# Altium PCB BytePipe_x9002_HDK_Rev2.PcbDoc (part 3 of 5) (continued)
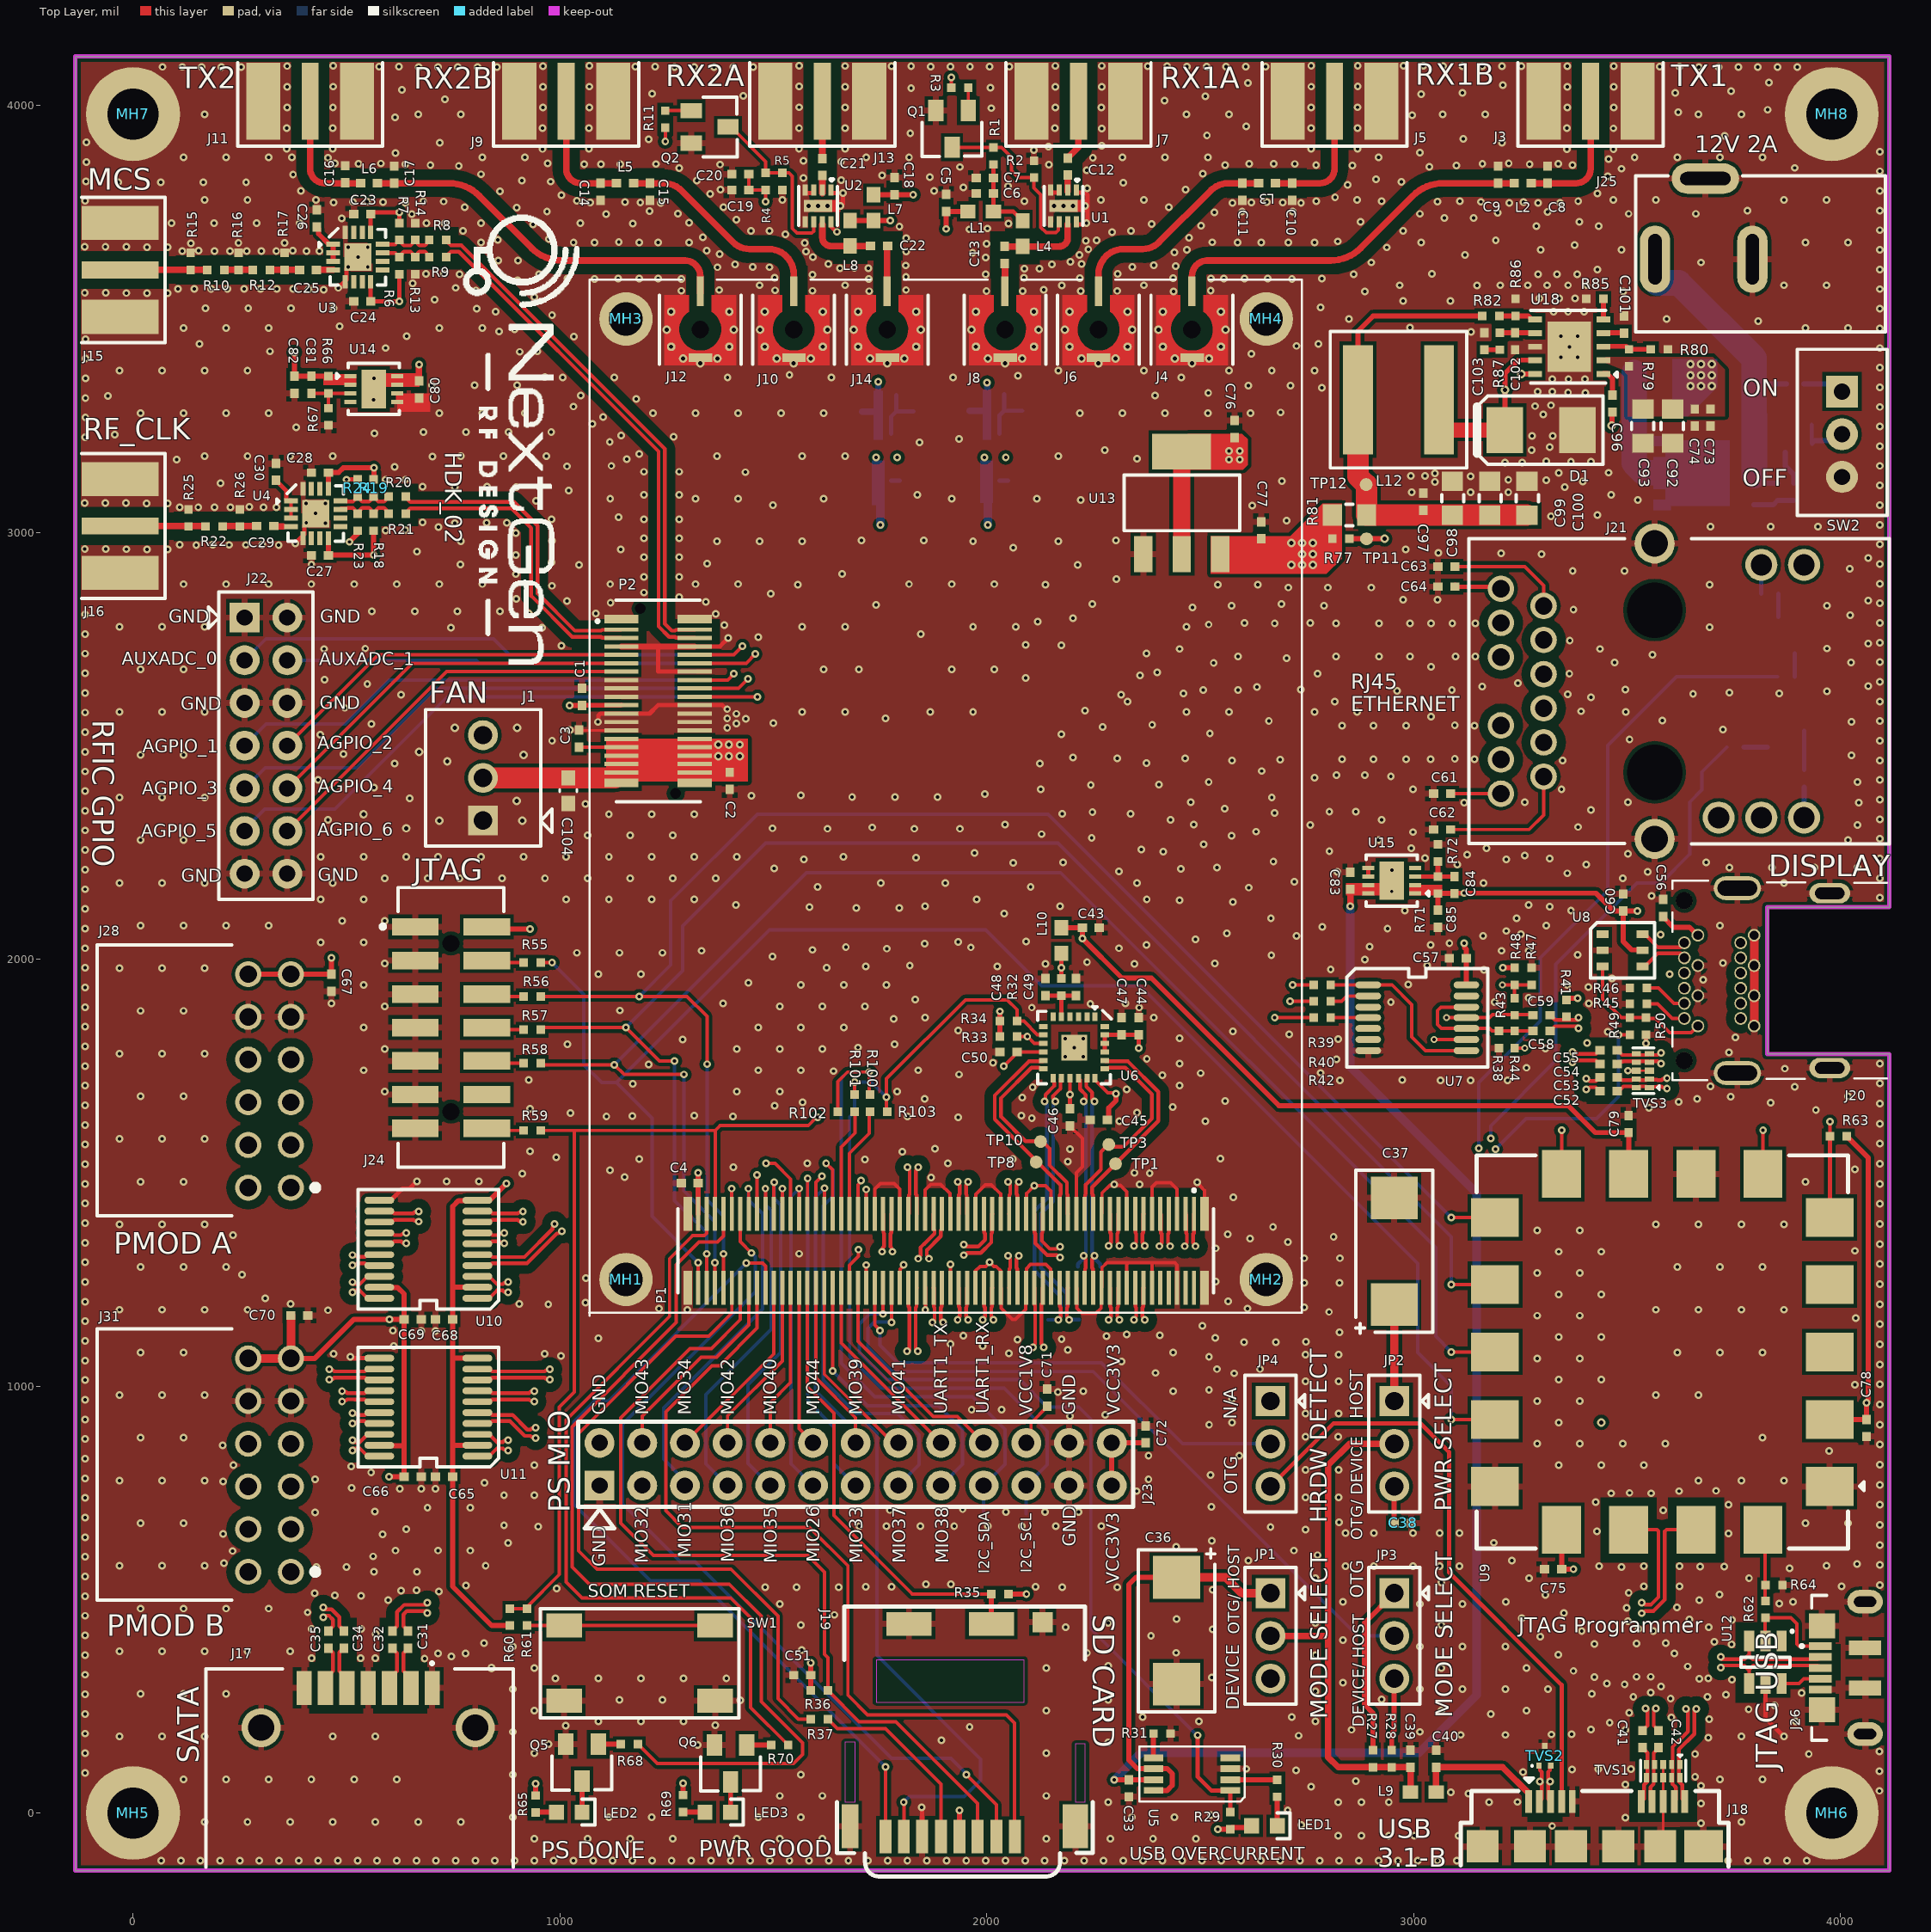
[diagram p0: Top Layer view]
## Nets (pads, with @x,y where several pads share a name; then routed paths per layer and width w, separated by ;. In a path a pad name is that pad's centre, name@x,y a point inside that pad or via, vN(x,y) a via of type N, cw(c..) or ccw(c..) an arc to the next point about the centre after c; other vN are vias at no path point) (continued)
898.92,3760.55 776.83,3762.18 1383.56,3761.83 2426.41,3762.08 2230.91,3764.49 1657,3765 637.97,3772.35 1236.24,3771.9 2575.86,3772.12 2736.5,3771.77 3224.41,3772.2 3291.67,3772.12 3343.64,3771.75 469.64,3772.69 1071.05,3772.98 1188.52,3773.13 2620.02,3772.81 2693.39,3772.81 515.03,3774.38 585.48,3773.7 1152.73,3773.55 2656.88,3773.86 3158.31,3774.44 3257.45,3773.54 548.9,3774.72 727.38,3775.39 3056.49,3774.88 679.97,3775.73 2088,3776 2772.31,3776.29 2925.34,3776.25 3108.74,3776.22 3386.07,3776.22 -112,3777 1039.71,3776.9 168.03,3779.03 268.03,3779.03 428.66,3778.78 1521,3779 2268.03,3779.03 2368.03,3779.03 2868.03,3779.03 3468.03,3779.03 3568.03,3779.03 3868.03,3779.03 3968.03,3779.03 2816.12,3784.98 1004.15,3790.46 1352.52,3792.87 3430.73,3794.08 393.44,3800.12 859.52,3799.55 1877,3800 4093,3800 1376,3803 2466.47,3803.01 2235.02,3806.12 1945,3808 2050,3811 2846.03,3814.19 2320,3819 -35,3820 65,3820 165,3820 265,3820 2972.01,3821.21 -110,3822 978.83,3821.8 911,3824 1321.18,3824.51 1659.61,3825.44 2912,3827 1570.58,3830.27 1867,3832 3455.29,3834.27 1755,3836 374.81,3838.39 815.29,3838.94 2506.54,3840.03 4093,3846 2234.81,3848.56 3487,3852 1279.89,3853.14 3893,3854 1937,3856 3037.46,3856.5 763.47,3858.42 697.01,3860.24 2558.36,3860.5 2856.51,3859.77 3100.64,3859.92 3372.91,3860.39 2145.8,3861.52 2771.74,3860.94 1375,3862 638.13,3862.82 1057.49,3862.78 1096.66,3862.78 1141.57,3862.78 1225.04,3863.09 2721.67,3863.11 3161.54,3863.33 3272.27,3862.61 3339.68,3863.38 528.14,3863.86 580.64,3864.12 2615.41,3863.55 2672.89,3863.55 473.2,3864.77 971.6,3864.89 3223,3865 -109.56,3868 1658.9,3868.79 1571.12,3870.58 3457.07,3874.47 372.56,3878.36 457.12,3877.63 2249,3878 118.03,3879.03 218.03,3879.03 318.03,3879.03 818.03,3879.03 918.03,3879.03 1718.03,3879.03 1818.03,3879.03 2318.03,3879.03 2418.03,3879.03 2518.03,3879.03 2918.03,3879.03 3518.03,3879.03 3618.03,3879.03 3718.03,3879.03 3818.03,3879.03 615,3889 3015,3890 4093,3892 2110.94,3895.91 959.7,3898.26 3359.7,3898.26 3468.64,3898.17 360.52,3898.61 468,3898.86 1068.43,3898.85 1560.2,3899.01 1668.18,3898.64 2759.99,3898.82 2868.83,3898.99 2145.13,3903.71 2269.66,3905.71 719,3913 3207,3913 -109.37,3914 1208,3921 3117,3922 3729,3929 2516,3930 1821,3935 2269.66,3946.22 360.52,3947.12 468,3947.37 959.7,3946.77 1068.43,3947.36 1560.2,3947.52 1668.18,3947.15 2160.13,3947.22 2759.99,3947.33 2868.83,3947.5 3359.7,3946.76 3468.64,3946.68 2608,3951 614,3972 2997,3977 168.03,3979.03 668.03,3979.03 768.03,3979.03 2468.03,3979.03 2568.03,3979.03 3068.03,3979.03 3168.03,3979.03 3668.03,3979.03 3768.03,3979.03 3620,3984 3830,3990 2011,3994 960.14,3995.28 3360.14,3995.27 3469.08,3995.19 360.95,3995.63 468.43,3995.87 1068.86,3995.87 1560.63,3996.03 1668.61,3995.66 2160.57,3995.73 2269.1,3995.73 2760.42,3995.84 2869.27,3996.01 2417,4012 731,4015 2512,4022 1430,4023 3018,4027 1216,4028 3115,4030 3613,4030 3744,4034 630,4037 1823,4041 2009,4042 361.15,4044.14 468.63,4044.38 960.33,4043.79 1069.06,4044.38 1668.8,4044.17 2160.76,4044.24 2269.29,4044.24 2760.62,4044.35 2869.46,4044.52 3360.33,4043.78 3469.27,4043.7 1560.83,4044.54 3209,4048 2612,4053 3833,4054 161,4090.44 207,4090 253,4090 715,4090.37 761,4090.37 807,4090 853,4090 1315,4090.37 1361,4090.37 1407,4090 1453,4090 3715,4090.37 3761,4090.37 3807,4090 3853,4090 3899,4090 69,4090.63 115,4090.63 577,4091 623,4091 669,4090.56 1177,4091 1223,4091 1269,4090.56 1915,4091.37 1961,4091.37 2007,4091 2053,4091 2515,4091.37 2561,4091.37 2607,4091 2653,4091 3577,4091 3623,4091 3669,4090.56 960.33,4092.3 1777,4092 1823,4092 1869,4091.56 2377,4092 2423,4092 2469,4091.56 3115,4092.37 3161,4092.37 3207,4092 3253,4092 3360.33,4092.29 3469.27,4092.21 361.15,4092.65 468.63,4092.89 1069.06,4092.88 1560.83,4093.05 1668.8,4092.68 2160.76,4092.74 2269.29,4092.74 2760.62,4092.86 2869.46,4093.03 2977,4093 3023,4093 3069,4092.56
  other v2: 840,340 640,2307 718.03,2325 912,2325 540,2340 898.81,2371.17 736.31,2464 915,2479.03 670,2486 754,2542 900,2542
GTR_REFCLK0_N: P1.34 TP9.1 U6.13 | length 699.9
  Top Layer w8.75: v1(2135.92,1666.99) 2137.69,1668.76 2137.69,1682.69 2158.13,1703.13 2158.13,1711.63 2157.63,1712.13 2157.63,1719.38 U6.13@2156,1721 ; P1.34@2170.75,1230.39 2171.37,1229.76 2171.37,1185.88 2173.22,1184.04 2173.22,1163.1
  Bottom Layer w8.75: 2141.04,1659.36 2141.04,1439.05 2112.22,1410.23 2112.22,1271.07 2173.18,1210.1 2173.18,1163.07 2168.06,1157.95 v1(2168.06,1155.44) TP9.1@2143.82,1155.44
GTR_REFCLK0_P: P1.32 TP5.1 U6.14 | length 699.9
  Top Layer w8.75: v1(2160.92,1666.99) 2160.92,1669.49 2155.73,1674.69 2155.73,1679.87 2172.88,1697.02 2172.88,1711.63 2173.38,1712.12 2173.38,1719.38 U6.14@2175,1721 ; 2187.97,1163.04 2187.97,1184.04 2189.81,1185.88 2189.81,1229.76 P1.32@2190.43,1230.39
  Bottom Layer w8.75: 2155.79,1659.36 2155.79,1432.94 2126.97,1404.12 2126.97,1277.18 2187.93,1216.21 2187.93,1163.07 2193.06,1157.95 v1(2193.06,1155.44) 2193.34,1155.72 2216.72,1155.72 TP5.1@2217,1156
GTR_REFCLK1_N: P1.31 TP10.1 U6.12 | length 488.6
  Top Layer w8.75: U6.12@2133,1744 2131.38,1745.62 2124.12,1745.62 2123.62,1746.12 2104.98,1746.12 2033.75,1674.89 2033.75,1631.29 2091.04,1574 2130,1574 2147,1557 2147,1518.04 2187.97,1477.07 2187.97,1449.96 2189.81,1448.12 2189.81,1404.24 P1.31@2190.43,1403.61
GTR_REFCLK1_P: P1.33 TP8.1 U6.11 | length 490.3
  Top Layer w8.75: U6.11@2133,1763 2131.38,1761.38 2124.12,1761.38 2123.62,1760.88 2098.88,1760.88 2019,1681 2019,1625.18 2173.22,1470.96 2173.22,1449.96 2171.37,1448.12 2171.37,1404.24 P1.33@2170.75,1403.61
GTR_REFCLK2_N: P1.28 TP6.1 U6.16 | length 528.3
  Top Layer w8.75: U6.16@2215,1721 2218.62,1717.38 2218.62,1695.52 2232.27,1681.87 2232.27,1672.48 v1(2227.17,1667.38) ; P1.28@2229.8,1230.39 2230.43,1231.01 2230.43,1274.89 2232.27,1276.73 2232.27,1297.73
  Bottom Layer w8.75: TP6.1@2214,1280 2214,1285.75 2225.41,1297.16 2225.41,1303.56 v1(2227.18,1305.33) 2227.18,1307.83 2232.3,1312.96 2232.3,1498.63 2232.3,1659.75 2227.17,1664.88 v1(2227.17,1667.38)
GTR_REFCLK2_P: P1.26 TP2.1 U6.17 | length 527.7
  Top Layer w8.75: U6.17@2235,1721 2233.38,1719.38 2233.38,1701.62 2247.02,1687.98 2247.02,1672.53 v1(2252.17,1667.38) ; 2247.02,1297.67 2247.02,1276.73 2248.86,1274.89 2248.86,1231.01 P1.26@2249.49,1230.39
  Bottom Layer w8.75: v1(2252.17,1667.38) 2252.17,1664.88 2247.05,1659.75 2247.05,1504.74 2247.05,1312.96 2252.18,1307.83 v1(2252.18,1305.33) 2253.95,1303.56 2253.95,1297.8 2266,1285.75 TP2.1@2266,1280
GTR_REFCLK3_N: P1.25 TP1.1 U6.20 | length 506.8
  Top Layer w8.75: P1.25@2249.49,1403.61 2248.86,1404.24 2248.86,1448.12 2247.02,1449.96 2247.02,1466.02 2402,1621 2402,1689.86 2330.98,1760.88 2286.37,1760.88 2285.87,1761.37 2278.62,1761.37 U6.20@2277,1763
GTR_REFCLK3_P: P1.27 TP3.1 U6.19 | length 506.4
  Top Layer w8.75: P1.27@2229.8,1403.61 2230.43,1404.24 2230.43,1448.12 2232.27,1449.96 2232.27,1472.13 2267.57,1507.43 2267.57,1548.57 2280,1561 2321.14,1561 2387.25,1627.11 2387.25,1683.75 2324.88,1746.12 2286.37,1746.12 2285.87,1745.63 2278.62,1745.63 U6.19@2277,1744
GTR_RX0_N: J18.10 P1.22 TVS1.1 TVS1.10 | length 2423.4
  Top Layer w8.75: v1(2286.17,1155.44) 2286.17,1157.95 2291.33,1163.1 2291.33,1184.04 2289.48,1185.88 2289.48,1229.76 P1.22@2288.86,1230.39 ; J18.10@3635.78,27 3629.56,33.22 3629.56,66 3621.9,73.66 3621.9,149 3658,185.1 v1@3658,243
  L6-SIG w5.5: v1(2286.17,1155.44) 2286.17,1158.17 2292.92,1164.92 2292.92,1183.93 2318.97,1209.98 2507.29,1209.98 2568.76,1148.5 2768.15,1148.5 2791.63,1125.03 2791.63,649.64 2818.48,622.79 3150.83,622.79 3410.12,363.5 3574.5,363.5 3656.35,281.65 3656.35,253.62 3662.6,247.37 v1(3662.6,244.14)
GTR_RX0_P: J18.9 P1.20 TVS1.2 TVS1.9 | length 2423.4
  Top Layer w8.75: P1.20@2308.54,1230.39 2307.92,1229.76 2307.92,1185.88 2306.08,1184.04 2306.08,1163.04 2311.17,1157.95 v1(2311.17,1155.44) ; TVS1.9@3604.69,82.5 3606.31,80.88 3606.31,68.39 3607.15,67.55 ; J18.9@3610.78,27 3614.56,30.78 3614.56,60.14 3607.15,67.55 ; v1@3643.25,243 3643.25,191.21 3607.15,155.11 3607.15,67.55
  L6-SIG w5.5: v1(2311.17,1155.44) 2311.17,1158.17 2304.42,1164.92 2304.42,1179.16 2323.73,1198.48 2502.52,1198.48 2564,1137 2763.39,1137 2780.13,1120.26 2780.13,644.87 2813.71,611.29 3146.07,611.29 3405.35,352 3459,352 3463.74,347.26 3463.74,341.26 3472,333 3485,333 3493.46,341.46 3493.46,348.65 3496.81,352 ; 3497,352 3569.74,352 3644.85,276.89 3644.85,253.62 3638.6,247.37 v1(3638.6,244.14)
GTR_RX1_N: C34.1 P1.16 | length 2816.1
  Top Layer w8.75: v1(446,482) 450.63,477.38 v1@452.5,477.38 ; v1@452.5,477.25 465.23,477.25 483.38,459.11 483.38,437.62 494,427 C34.1@494,426 ; v1(2345.22,1155.44) 2345.22,1157.95 2350.38,1163.1 2350.38,1184.04 2348.54,1185.88 2348.54,1229.76 P1.16@2347.91,1230.39
  L6-SIG w5.5: v1(446,482) 449.22,482 455.47,475.75 575,475.75 632.75,418 779.24,418 934.74,573.5 2302.5,573.5 2473.9,744.9 2473.9,887.87 2351.97,1009.8 2351.97,1145.97 2345.22,1152.72 v1(2345.22,1155.44)
GTR_RX1_P: C35.1 P1.14 | length 2816.3
  Top Layer w8.75: v1(446,458) 450.5,462.5 459.12,462.5 468.62,453 468.62,437.62 458,427 C35.1@458,426 ; P1.14@2367.6,1230.39 2366.97,1229.76 2366.97,1185.88 2365.13,1184.04 2365.13,1163.04 2370.22,1157.95 v1(2370.22,1155.44)
  L6-SIG w5.5: v1(446,458) 449.22,458 455.47,464.25 570.24,464.25 627.99,406.5 728.5,406.5 735.4,399.6 755.6,399.6 762.5,406.5 784,406.5 939.5,562 2307.26,562 2485.4,740.14 2485.4,892.63 2363.47,1014.56 2363.47,1145.97 2370.22,1152.72 v1(2370.22,1155.44)
GTR_RX2_N: P1.10
GTR_RX2_P: P1.08
GTR_RX3_N: P1.04
GTR_RX3_P: P1.02
GTR_TX0_N: C42.1 P1.21 | length 2448.8
  Top Layer w8.75: v1(2286.17,1328.67) 2286.17,1331.18 2291.33,1336.33 2291.33,1357.27 2289.48,1359.11 2289.48,1402.99 P1.21@2288.86,1403.61 ; v1@3562.88,245 3562.88,212.89 3562.88,204.75 3568,199.62 3568.38,199.62 3574,194 C42.1@3574,193
  L3-SIG w5.5: v1(2286.17,1328.67) 2286.17,1325.95 2292.92,1319.2 2292.92,1297.95 2469.98,1120.9 2469.98,879.72 2565,784.7 2565,289.74 2717.74,137 3543,137 3561.25,155.25 3561.25,235.53 3567.5,241.78 v1(3567.5,245)
GTR_TX0_P: C41.1 P1.19 | length 2449.6
  Top Layer w8.75: P1.19@2308.54,1403.61 2307.92,1402.99 2307.92,1359.11 2306.08,1357.27 2306.08,1336.27 2311.17,1331.18 v1(2311.17,1328.67) ; C41.1@3537,193 3537,194 3542.62,199.62 3543,199.62 3548.12,204.75 3548.12,219 v1@3548.13,245
  L3-SIG w5.5: v1(2311.17,1328.67) 2311.17,1325.95 2304.42,1319.2 2304.42,1302.72 2481.48,1125.66 2481.48,884.48 2576.5,789.46 2576.5,294.5 2722.5,148.5 3433.5,148.5 3438,153 3438,166 3447,175 3469,175 3476,168 3476,152 3479.5,148.5 3538.24,148.5 3549.75,160.01 3549.75,235.53 3543.5,241.78 v1(3543.5,245)
GTR_TX1_N: C32.1 P1.15 | length 2731.2
  Top Layer w8.75: C32.1@608,426 608,427 618.62,437.62 618.62,471.11 635.27,487.75 v1@687,487.75 ; v1(2345.22,1328.67) 2345.22,1331.18 2350.38,1336.33 2350.38,1357.27 2348.54,1359.11 2348.54,1402.99 P1.15@2347.91,1403.61
  L6-SIG w5.5: v1(689.09,492.39) 692.32,492.39 698.57,486.14 779,486.14 931.86,639 2282.5,639 2411.5,768 2411.5,896.26 2233.14,1074.63 2233.14,1183.56 2351.97,1302.4 2351.97,1319.2 2345.22,1325.95 v1(2345.22,1328.67)
GTR_TX1_P: C31.1 P1.13 | length 2731.4
  Top Layer w8.75: C31.1@644,426 644,427 633.38,437.62 633.38,465 641.38,473 v1@687,473 ; P1.13@2367.6,1403.61 2366.97,1402.99 2366.97,1359.11 2365.13,1357.27 2365.13,1336.27 2370.22,1331.18 v1(2370.22,1328.67)
  L6-SIG w5.5: v1(689.09,468.39) 692.32,468.39 698.57,474.64 723,474.64 ; 723.5,474.5 730.8,467.2 750.2,467.2 757.64,474.64 783.76,474.64 936.62,627.5 2287.26,627.5 2423,763.24 2423,901.02 2244.64,1079.39 2244.64,1178.8 2363.47,1297.64 2363.47,1319.2 2370.22,1325.95 v1(2370.22,1328.67)
GTR_TX2_N: C55.1 P1.09 | length 1339
  Top Layer w8.75: v1(2404.9,1328.05) 2404.9,1330.55 2410.06,1335.71 2410.06,1356.65 2408.22,1358.49 P1.09@2408.22,1402.36 ; P1.09@2406.97,1403.61 P1.09@2407.59,1402.99 ; v1(3372.15,1782.84) 3373.92,1781.07 3381.21,1781.07 3384.07,1778.21 3412.87,1778.21 3427.21,1778.21 3436,1787 C55.1@3437,1787
  L3-SIG w5.5: v1(2404.9,1328.05) 2404.9,1330.77 2411.65,1337.52 2411.65,1368.56 2479.03,1435.94 2504.07,1435.94 2586.24,1518.11 2586.24,1543.91 2724.78,1682.45 3247.94,1682.45 3342.08,1776.59 3362.68,1776.59 3368.93,1782.84 v1(3372.15,1782.84)
GTR_TX2_P: C54.1 P1.07 | length 1330.3
  Top Layer w8.75: P1.07@2426.03,1402.99 P1.07@2426.65,1403.61 ; P1.07@2426.65,1402.36 2426.65,1358.49 2424.81,1356.65 2424.81,1335.64 2429.9,1330.55 v1(2429.9,1328.05) ; v1(3372.15,1758.84) 3373.92,1760.61 3381.21,1760.61 3384.07,1763.46 3406.76,1763.46 3427.21,1763.46 3436,1754.67 C54.1@3437,1754.67
  L3-SIG w5.5: v1(2429.9,1328.05) 2429.9,1330.77 2423.15,1337.52 2423.15,1363.8 2483.79,1424.44 2508.83,1424.44 2597.74,1513.34 2597.74,1539.15 2634.24,1575.65 2651.93,1575.65 2663.64,1587.35 2663.64,1605.05 2729.54,1670.95 3252.7,1670.95 3346.84,1765.09 3362.68,1765.09 3368.93,1758.84 v1(3372.15,1758.84)
GTR_TX3_N: C53.1 P1.03 | length 1319.1
  Top Layer w8.75: v1(2463.96,1328.05) 2463.96,1330.55 2469.12,1335.71 2469.12,1356.65 2467.27,1358.49 P1.03@2467.27,1402.36 ; P1.03@2466.02,1403.61 P1.03@2466.65,1402.99 ; v1(3405,1720) 3407.5,1720 3412.63,1714.88 3427.54,1714.88 3436,1723.33 C53.1@3437,1723.33
  L3-SIG w5.5: v1(2463.96,1328.05) 2463.96,1330.77 2470.71,1337.52 2470.71,1370.95 2498.7,1398.94 2626.84,1398.94 2644.28,1416.38 2644.28,1507.73 2775.05,1638.5 3223.09,1638.5 3253.59,1608 3268.74,1608 3373.99,1713.25 3395.53,1713.25 3402.28,1720 v1(3405,1720)
GTR_TX3_P: C52.1 P1.01 | length 1316.2
  Top Layer w8.75: P1.01@2485.08,1402.99 P1.01@2485.71,1403.61 ; P1.01@2485.71,1402.36 2485.71,1358.49 2483.87,1356.65 2483.87,1335.64 2488.96,1330.55 v1(2488.96,1328.05) ; v1(3405,1695) 3407.5,1695 3412.63,1700.12 3426.88,1700.12 3436,1691 C52.1@3437,1691
  L3-SIG w5.5: v1(2488.96,1328.05) 2488.96,1330.77 2482.21,1337.52 2482.21,1366.19 2503.46,1387.44 2631.6,1387.44 2655.78,1411.62 2655.78,1502.96 2691.82,1539 2719,1539 2728.57,1548.57 2728.57,1575.76 2779.82,1627 3218.32,1627 3248.82,1596.5 3273.5,1596.5 3378.75,1701.75 3395.53,1701.75 3402.28,1695 v1(3405,1695)
I2C1_SCL: J23.19 R33.2 R100.1 R102.1 TP7.1 U6.9 | length 2085.9
  Top Layer w8: R102.1@1651,1643 1651,1713 1674,1736 v1(1725,1736) R100.1@1725,1683 ; R33.2@2071,1819 2096,1819 2112,1803 U6.9@2133,1803
  L6-SIG w8: v1(1725,1736) 1763,1774 1916,1774 1961,1819 v1(2095,1819)
  Bottom Layer w8: v1(1725,1736) 1674,1736 1659,1721 1659,1054 1738,975 1967,975 2043,899 2043,817 J23.19@1993,767 TP7.1@1992.98,700.8
I2C1_SDA: J23.21 R34.2 R101.1 R103.2 TP4.1 U6.8 | length 2087.8
  Top Layer w8: R101.1@1691,1683 v1@1690.99,1712.01 ; R103.2@1765,1643 v1(1765,1677) 1765,1720 1950,1905 2048,1905 2071,1882 R34.2@2071,1855 2087,1855 2119,1823 U6.8@2133,1823
  L6-SIG w8: v1(1690.98,1712.02) v1@1692.02,1713.07
  Bottom Layer w8: v1(1765,1677) 1729.98,1712.02 v1(1690.98,1712.02) 1690.98,1642.98 1679,1631 1679,1069 1753,995 2041,995 2142,894 2142,816 J23.21@2093,767 2092.66,766.66 2092.66,701.09 TP4.1@2092.32,700.75
I2C1_SELECT_CL: P1.83 R100.2 R103.1 | length 258.6
  Top Layer w8: P1.83@1678.62,1403.61 1678.62,1545.62 1725,1592 R103.1@1725,1643
I2C1_SELECT_DA: P1.85 R101.2 R102.2 | length 253.5
  Top Layer w8: P1.85@1658.94,1403.61 1658.94,1559.94 1692,1593 1692,1642 R101.2@1691,1643
IO_L1_N: P1.61 U10.3 | length 1278.8
  Top Layer w8.75: U10.3@807,1257 834.49,1257 852.61,1238.88 866.69,1238.88 869.61,1241.79 876.9,1241.79 v1(878.67,1243.56) ; 1859.63,1318.72 1859.63,1318.14 ; v1(1864.74,1298.85) 1864.74,1301.36 1859.63,1306.47 1859.63,1318.14 ; P1.61@1895.51,1403.26 P1.61@1895.16,1403.61 1894.51,1402.97 1894.51,1366.72 1892.63,1364.83 1892.63,1351.13 1859.63,1318.14
  L3-SIG w5.5: v1(878.67,1243.56) 881.89,1243.56 888.14,1237.31 912.58,1237.31 986.07,1237.31 1103.76,1355 1833.1,1355 1857.99,1330.11 1857.99,1308.33 1864.74,1301.58 v1(1864.74,1298.85)
IO_L1_P: P1.63 U10.1 | length 1258.9
  Top Layer w8.75: U10.1@807,1206 834.49,1206 852.61,1224.12 866.81,1224.12 869.61,1221.33 876.9,1221.33 v1(878.67,1219.56) ; v1(1839.74,1298.85) 1839.74,1301.36 1844.88,1306.5 1844.88,1324.83 1853.52,1333.47 1854.1,1333.47 1877.88,1357.24 1877.88,1364.82 1875.47,1367.22 P1.63@1875.47,1403.61
  L3-SIG w5.5: v1(878.67,1219.56) 881.89,1219.56 888.14,1225.81 917.35,1225.81 990.84,1225.81 1108.52,1343.5 1828.34,1343.5 1846.49,1325.35 1846.49,1308.33 1839.74,1301.58 v1(1839.74,1298.85)
IO_L2_N: P1.57 U10.5 | length 1305.7
  Top Layer w8.75: U10.5@807,1308 835.96,1308 841.59,1302.37 916.97,1302.37 982.88,1368.28 982.88,1372.31 988.03,1377.47 v1(988.03,1379.97) ; P1.57@1934.53,1403.61 1935.15,1404.24 1935.15,1448.12 1936.99,1449.96 1937,1470.96
  L3-SIG w5.5: v1(988.03,1379.97) 990.31,1382.25 999.15,1382.25 1048.06,1431.16 1931.76,1431.16 1938.65,1438.06 1938.65,1469.08 1931.9,1475.83 v1(1931.9,1478.56)
IO_L2_P: P1.55 U10.4 | length 1327.2
  Top Layer w8.75: U10.4@807,1282.5 835.96,1282.5 841.09,1287.62 923.08,1287.62 993.3,1357.85 997.34,1357.85 1002.5,1363 v1(1005,1363) ; 1951.75,1470.9 1951.75,1449.96 1953.59,1448.12 1953.59,1404.24 P1.55@1954.21,1403.61
  L3-SIG w5.5: v1(1005,1363) 1007.28,1365.28 1007.28,1374.12 1052.82,1419.66 1936.52,1419.66 1950.15,1433.29 1950.15,1469.08 1956.9,1475.83 v1(1956.9,1478.56)
IO_L3_N: P1.51 U10.7 | length 1345.4
  Top Layer w8.75: U10.7@807,1359 835.96,1359 841.34,1353.62 857.84,1353.62 860.94,1356.73 868.23,1356.73 v1(870,1358.5) ; v1(1946.08,1331.96) 1948.59,1331.96 1953.71,1326.84 1979.98,1326.84 1996.05,1342.91 1996.05,1357.27 1994.21,1359.11 1994.21,1402.99 P1.51@1993.58,1403.61
  L3-SIG w5.5: v1(870,1358.5) 873.22,1358.5 879.47,1352.25 898.21,1352.25 934.96,1315.5 1006.2,1315.5 1084.7,1394 1854.26,1394 1923.05,1325.21 1936.61,1325.21 1943.36,1331.96 v1(1946.08,1331.96)
IO_L3_P: P1.49 U10.6 | length 1369.7
  Top Layer w8.75: U10.6@807,1333.5 835.96,1333.5 841.34,1338.88 858.34,1338.88 860.94,1336.27 868.23,1336.27 v1(870,1334.5) ; v1(1946.08,1306.96) 1948.59,1306.96 1953.71,1312.09 1986.09,1312.09 2010.8,1336.8 2010.8,1357.27 2012.64,1359.11 2012.64,1402.99 P1.49@2013.27,1403.61
  L3-SIG w5.5: v1(870,1334.5) 873.22,1334.5 879.47,1340.75 893.45,1340.75 930.2,1304 1010.96,1304 1089.46,1382.5 1849.5,1382.5 1918.29,1313.71 1936.61,1313.71 1943.36,1306.96 v1(1946.08,1306.96)
IO_L4_N: P1.69 U10.9 | length 1295.8
  Top Layer w8.75: U10.9@807,1410 835.96,1410 841.59,1404.38 901.68,1404.45 904.53,1407.3 911.82,1407.3 v1(913.59,1409.07) ; v1(1814.42,1512.81) 1814.42,1510.31 1819.54,1505.18 1819.54,1472.97 ; 1819.51,1472.94 1819.51,1449.33 1817.67,1447.49 P1.69@1817.67,1403.61 ; P1.69@1817.67,1403.61 1817.04,1402.99 P1.69@1817.67,1403.61
  L3-SIG w5.5: v1(913.59,1409.07) 916.81,1409.07 923.06,1402.82 939.64,1402.82 1116.81,1580 1728.88,1580 1767.12,1541.76 1767.12,1499.88 1780.5,1486.5 1813,1486.5 1821.17,1494.67 1821.17,1503.34 1814.42,1510.09 v1(1814.42,1512.81)
IO_L4_P: P1.67 U10.8 | length 1316.3
  Top Layer w8.75: U10.8@807,1384.5 835.96,1384.5 841.09,1389.62 901.68,1389.7 904.53,1386.84 911.82,1386.84 v1(913.59,1385.07) ; 1834.26,1466.83 1834.26,1449.33 1836.1,1447.49 P1.67@1836.1,1403.61 P1.67@1836.73,1402.99 ; 1834.29,1466.86 1834.29,1505.18 1839.42,1510.31 v1(1839.42,1512.81)
  L3-SIG w5.5: v1(913.59,1385.07) 916.81,1385.07 923.06,1391.32 944.4,1391.32 1121.58,1568.5 1724.12,1568.5 1755.62,1537 1755.62,1495.12 1775.74,1475 1822,1475 1832.67,1485.67 1832.67,1493.33 1832.67,1503.34 1839.42,1510.09 v1(1839.42,1512.81)
IO_L5_N: P1.75 U11.3 | length 1448.8
  Top Layer w8.75: U11.3@807,887 834.49,887 852.61,868.88 866.69,868.88 869.61,871.79 876.9,871.79 v1(878.67,873.56) ; v1(1755,1315) 1756.77,1316.77 1756.77,1324.06 1759.83,1327.12 1759.83,1357.27 1757.99,1359.11 1757.99,1402.99 P1.75@1757.36,1403.61
  L3-SIG w5.5: v1(878.67,873.56) 882.05,873.56 888.3,867.31 894.46,867.31 900.03,872.88 900.03,920.58 855,965.62 855,1056.26 945.17,1146.43 1443.52,1146.43 1554.72,1257.63 1589.63,1257.63 1612,1280 1634,1280 1656.37,1257.63 1726.46,1257.63 1761.25,1292.42 1761.25,1305.53 1755,1311.78 v1(1755,1315)
IO_L5_P: P1.73 U11.1 | length 1452.7
  Top Layer w8.75: U11.1@807,836 834.49,836 852.61,854.12 866.81,854.12 869.61,851.33 876.9,851.33 v1(878.67,849.56) ; P1.73@1777.05,1403.61 1776.42,1402.99 1776.42,1359.11 1774.58,1357.27 1774.58,1326.71 1777.23,1324.06 1777.23,1316.77 v1(1779,1315) v1@1781.55,1312.45
  L3-SIG w5.5: v1(878.67,849.56) 881.89,849.56 888.14,855.81 899.23,855.81 911.53,868.12 911.53,925.35 866.5,970.38 866.5,1051.5 949.93,1134.93 1448.29,1134.93 1559.48,1246.13 1731.22,1246.13 1772.75,1287.66 1772.75,1305.53 1779,1311.78 v1(1779,1315)